# Allegro board STANDARD.brd (continued)
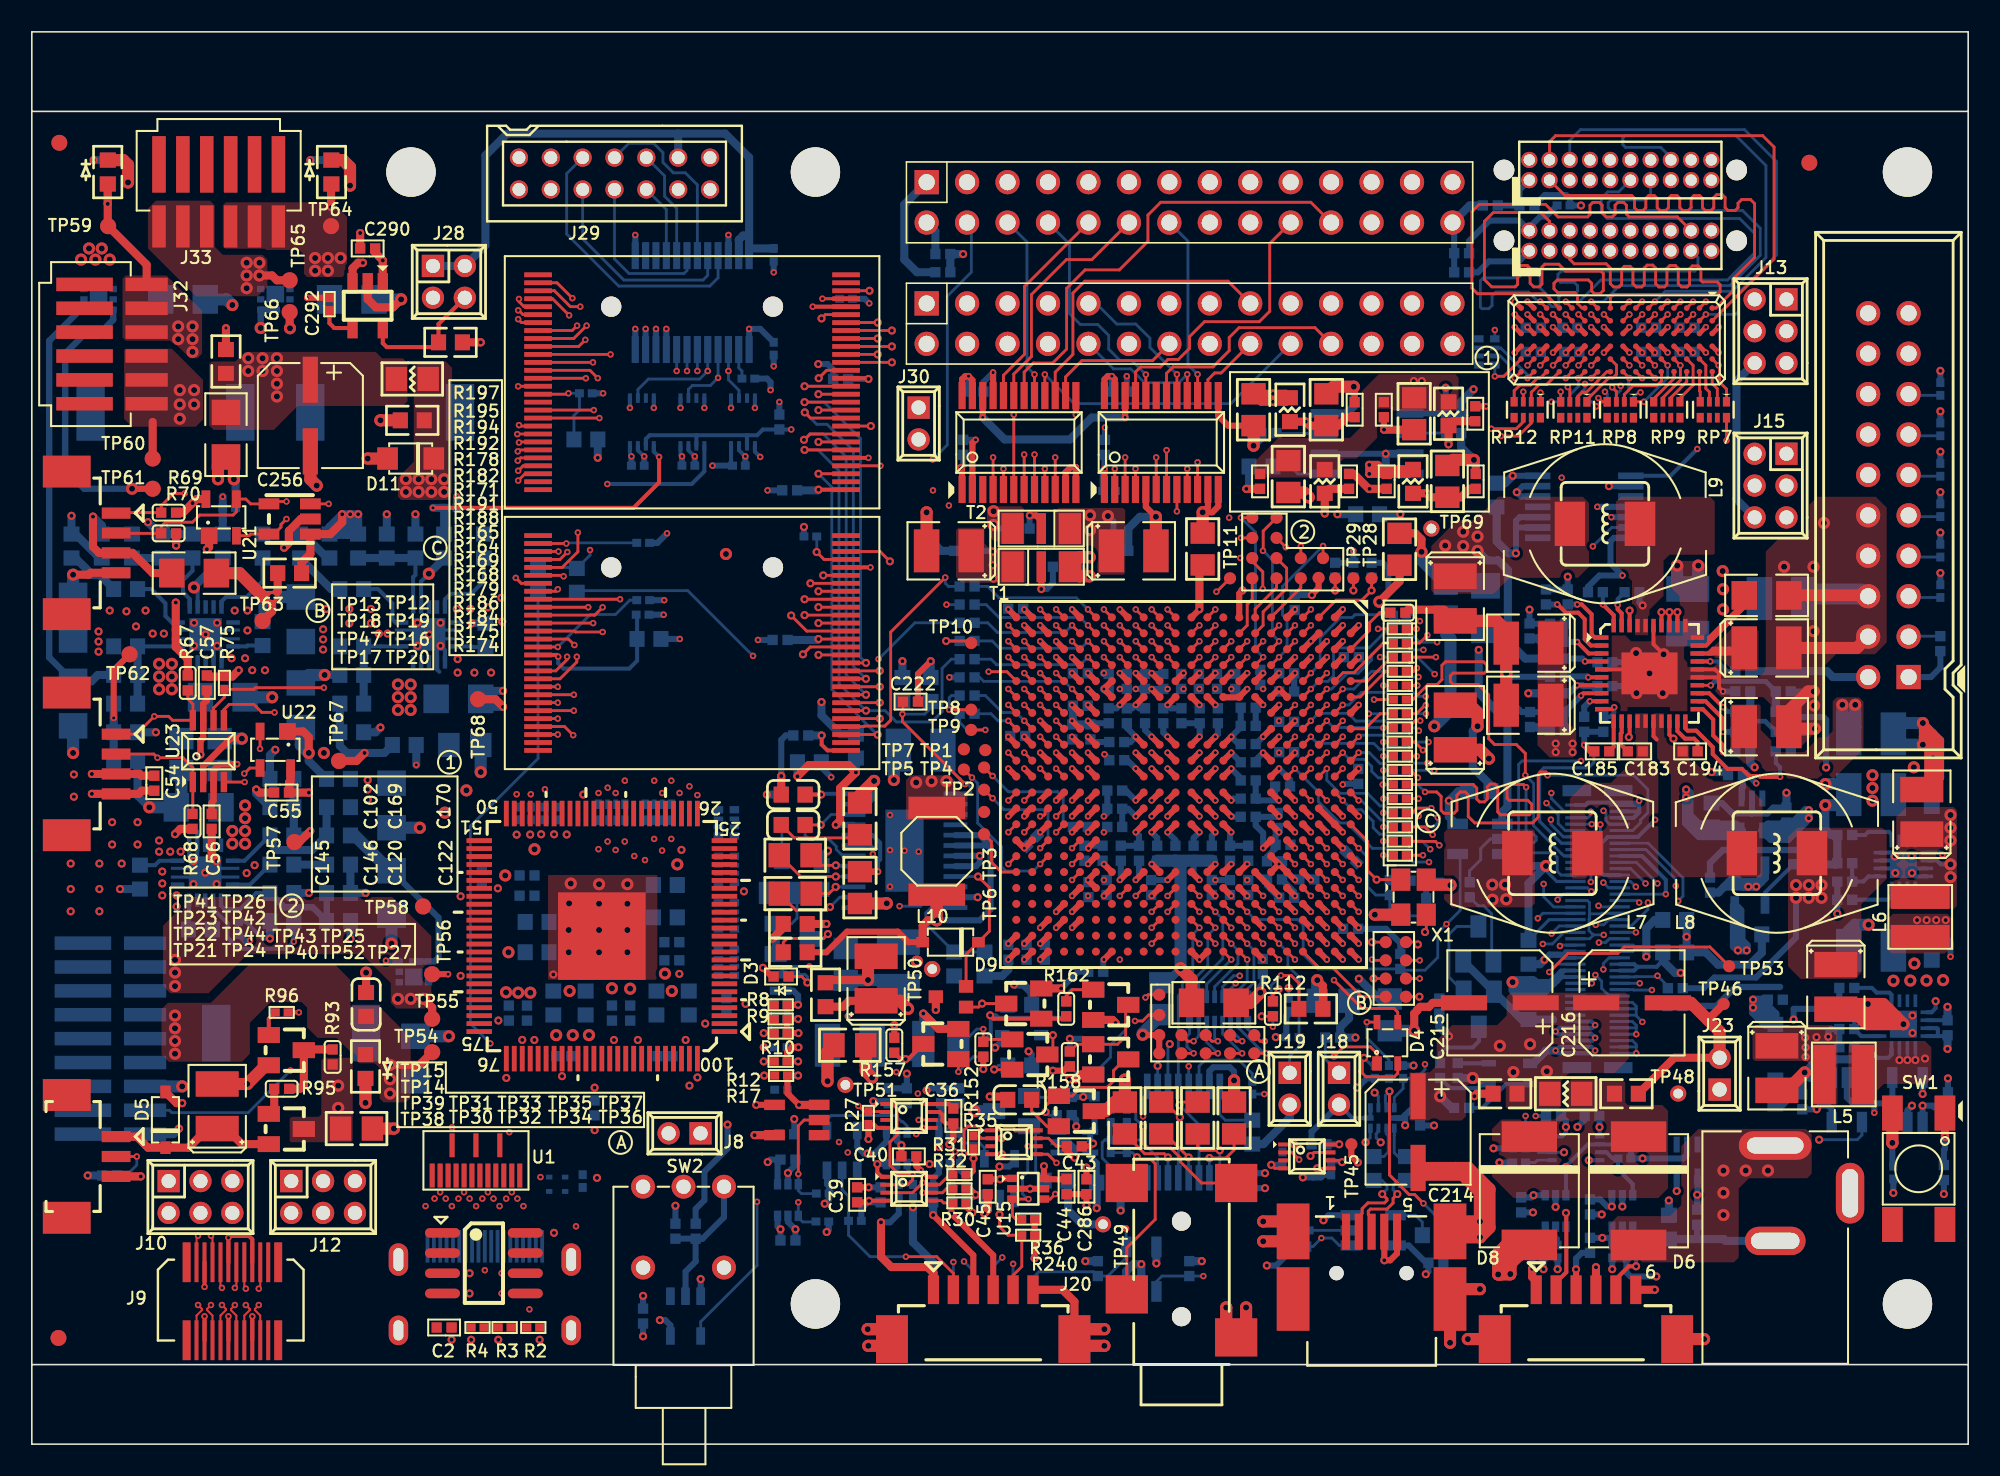
[diagram p0: board, top side]
## Routing (per net, layer and track width the routed paths; a pad name or vN(x,y) marks a point on that pad's centre or on a via; arc(x,y) is an arc through that point) (continued)
PM_ADR_19: length 60.8
  TOP w0.178: v3(36.34,68.47) U19.11 ; v3(35.84,52.58) 35.35,52.09 U20.11 ; U7.Y1 v3(63.32,52.45)
  3-SIG w0.122: v3(36.34,68.47) 36.34,68.47 39.23,65.58 42.84,65.58 47.95,60.47 50.51,60.47 56.04,54.94 57.93,54.94 59.53,53.34 62.44,53.34 v3(63.32,52.45)
  4--SIG w0.122: v3(36.34,68.47) 37.19,67.62 37.19,57.23 38.04,56.38 38.04,54.43 37.14,53.53 36.79,53.53 v3(35.84,52.58)
PM_ADR_20: length 62.4
  TOP w0.178: U20.12 v3(35.25,51.59) ; U7.W2 v3(64.32,51.45) ; U19.12 v3(35.24,67.97)
  3-SIG w0.122: v3(35.24,67.97) 35.29,67.97 36.54,66.72 36.54,65.48 37.89,64.13 41.42,64.13 46.25,59.31 48.93,59.31 49.31,58.92 51.06,58.92 56.31,53.68 57.94,53.68 59.58,52.04 62.57,52.04 62.77,51.84 63.94,51.84 v3(64.32,51.45)
  4--SIG w0.122: v3(35.25,51.59) 34.54,52.3 34.54,54.78 36.59,56.83 36.59,66.62 v3(35.24,67.97)
PM_ADR_21: length 69.5
  TOP w0.178: U19.15 30.54,66.47 v3(30.54,66.47) ; U7.W1 v3(64.32,52.45) ; U20.15 v3(33.03,50.09)
  3-SIG w0.122: v3(64.32,52.45) 63.96,52.08 63.17,52.08 62.98,52.28 62.98,52.31 62.38,52.91 59.31,52.91 58.15,54.07 56.4,54.07 51.06,59.41 49.34,59.41 49.06,59.68 47.89,59.68 47.14,60.43 45.79,60.43 41.66,64.56 38.96,64.56 37.95,65.57 37.95,66.17 35.74,68.38 32.45,68.38 v3(30.54,66.47)
  4--SIG w0.122: v3(33.03,50.09) 33,50.09 30.02,53.06 30.02,54.58 31,55.56 31,66.01 v3(30.54,66.47)
  BOTTOM w0.178: R47.1 37.55,53.03 36.65,52.13 35.07,52.13 v3(33.03,50.09)
PM_ADR_22: length 69.8
  TOP w0.178: U7.V3 v3(65.32,50.45) ; U20.2 v3(33.57,56.59) ; U19.2 32.98,72.97 v3(33.94,72.01)
  3-SIG w0.122: v3(33.94,72.01) 33.34,71.4 33.34,70.23 33.79,69.78 34.93,69.78 35.34,69.36 37.01,69.36 39.79,66.58 44.49,66.58 45.99,65.08 45.99,63.59 47.86,61.72 50.51,61.72 56.44,55.78 58.44,55.78 59.41,54.81 63.02,54.81 64.91,52.92 64.91,50.86 v3(65.32,50.45)
  4--SIG w0.122: v3(33.57,56.59) 32.99,57.16 32.99,71.05 v3(33.94,72.01)
  BOTTOM w0.178: v3(33.57,56.59) 33.61,56.63 R46.1
PM_BLS0: length 3
  TOP w0.178: U7.AB8 v3(61.32,45.45)
  BOTTOM w0.178: v3(61.32,45.45) 60.68,45.45 60.23,45.89 R53.2
PM_BLS0S: length 3.2
  TOP w0.178: TP9.1 v3(59.88,44.88)
  BOTTOM w0.178: v3(59.88,44.88) 58.74,44.88 58.27,45.35 R53.1
PM_BLS1: length 4.5
  TOP w0.178: U7.AA8 v3(62.32,45.45)
  BOTTOM w0.178: R50.2 59.88,47.04 60.95,45.97 61.45,45.97 61.45,45.97 61.8,45.97 v3(62.32,45.45)
PM_BLS1S: length 2.8
  TOP w0.178: TP8.1 v3(57.61,46.15)
  BOTTOM w0.178: v3(57.61,46.15) 57.61,46.9 57.75,47.04 R50.1
PM_DAT_0: length 45
  TOP w0.178: U19.35 v1(49.4,62.97) ; U20.35 v1(53.25,46.59) ; U7.T4 v3(67.32,49.45)
  3-SIG w0.122: v3(67.32,49.45) 66.69,50.08 66.17,50.08 65.91,50.34 65.91,53.09 62.38,56.63 56.87,56.63 50.52,62.97 v1(49.4,62.97)
  4--SIG w0.122: v3(67.32,49.45) 66.94,49.07 59.09,49.07 56.61,46.59 v1(53.25,46.59)
PM_DAT_1: length 41.7
  TOP w0.178: U7.T3 v3(67.32,50.45) ; U20.37 v1(53.25,47.59) ; U19.37 v1(52.69,63.97)
  3-SIG w0.122: v3(67.32,50.45) 66.73,51.04 66.73,52.83 62.53,57.03 58.84,57.03 52.69,63.18 v1(52.69,63.97)
  4--SIG w0.122: v3(67.32,50.45) 66.95,50.82 58.86,50.82 55.63,47.59 v1(53.25,47.59)
PM_DAT_2: length 44.4
  TOP w0.178: U19.39 v1(49.4,64.97) ; U7.T2 v3(67.32,51.45) ; U20.39 v1(53.25,48.59)
  3-SIG w0.122: v3(67.32,51.45) 66.96,51.81 66.96,53.14 60.82,59.28 58.24,59.28 52.55,64.97 v1(49.4,64.97)
  4--SIG w0.122: v3(67.32,51.45) 66.94,51.84 56.5,51.84 v1(53.25,48.59)
PM_DAT_3: length 47.6
  TOP w0.178: U19.41 v1(49.4,65.97) ; U7.T1 v3(67.32,52.45) ; U20.41 v1(49.4,49.59)
  3-SIG w0.122: v3(67.32,52.45) 67.32,54.55 66.78,55.09 65.93,55.09 63.89,57.13 63.89,57.78 60.01,61.67 58.8,61.67 56.44,64.03 54.34,64.03 52.4,65.97 v1(49.4,65.97)
  4--SIG w0.122: v1(49.4,49.59) 47.14,51.85 47.14,53.53 48.68,55.07 48.68,56.57 48.96,56.85 48.96,64.66 48.96,64.66 48.96,65 48.96,65 48.96,65.53 v1(49.4,65.97)
PM_DAT_4: length 52
  TOP w0.178: U20.44 48.66,51.09 v1(47.69,52.07) ; U7.R4 v3(68.32,49.45) ; v1(49.41,66.98) 49.91,67.47 U19.44
  3-SIG w0.122: v3(68.32,49.45) 67.73,50.04 67.73,55.31 66.69,56.36 66.06,56.36 61.71,60.71 61.71,61.26 60.44,62.53 58.38,62.53 56.66,64.25 54.75,64.25 52.63,66.37 50.02,66.37 v1(49.41,66.98)
  4--SIG w0.122: v1(47.69,52.07) 47.69,53.48 49.85,55.64 49.85,66.54 v1(49.41,66.98)
PM_DAT_5: length 50.9
  TOP w0.178: U19.46 v1(53.12,68.47) ; U20.46 v1(48.52,52.09) ; U7.R3 v3(68.32,50.45)
  3-SIG w0.122: v1(53.12,68.47) 53.12,67.48 54.54,66.06 57.36,66.06 62.14,61.28 62.14,60.88 66.23,56.79 66.73,56.79 67.96,55.56 67.96,50.81 v3(68.32,50.45)
  4--SIG w0.122: v1(53.12,68.47) 52.09,67.44 52.09,53.9 50.27,52.09 v1(48.52,52.09)
PM_DAT_6: length 53
  TOP w0.178: U19.48 v1(53.12,69.47) ; U7.R2 v3(68.32,51.45) ; U20.48 v1(48.52,53.09)
  3-SIG w0.122: v3(68.32,51.45) 68.69,51.81 68.69,56.13 68.21,56.61 68.21,58.51 66.04,60.68 66.04,61.53 62.04,65.53 58.39,65.53 57.39,66.53 54.84,66.53 53.54,67.83 53.54,69.06 v1(53.12,69.47)
  4--SIG w0.122: v1(53.12,69.47) 52.72,69.47 51.39,68.15 51.39,54.45 50.03,53.09 v1(48.52,53.09)
PM_DAT_7: length 58.6
  TOP w0.178: U19.50 v1(53.12,70.47) ; U7.P4 v3(69.32,49.45) ; U20.50 v1(48.89,54.09)
  3-SIG w0.122: v1(53.12,70.47) 54.1,70.47 55.15,69.42 55.15,68.8 55.93,68.03 64.08,68.03 69.81,62.3 69.81,57.96 70.69,57.08 70.69,50.3 70.3,49.91 69.78,49.91 v3(69.32,49.45)
  4--SIG w0.122: v1(53.12,70.47) 52.3,70.47 50.59,68.76 50.59,54.82 49.86,54.09 v1(48.89,54.09)
PM_DAT_8: length 41.9
  TOP w0.178: U20.36 v1(52.38,47.09) ; U19.36 48.88,63.47 48.52,63.11 v1(48.49,63.11) ; U7.P3 v3(69.32,50.45)
  4--SIG w0.122: v1(52.38,47.09) 55.99,47.09 58.91,50.01 68.88,50.01 v3(69.32,50.45)
  BOTTOM w0.178: v1(48.49,63.11) 48.85,63.47 49.7,63.47 51.14,62.03 51.14,48.33 v1(52.38,47.09)
PM_DAT_9: length 41.7
  TOP w0.178: U19.38 48.9,64.47 v1(48.54,64.83) ; U20.38 v1(52.38,48.09) ; U7.P2 v3(69.32,51.45)
  4--SIG w0.122: v3(69.32,51.45) 68.92,51.05 57.26,51.05 54.3,48.09 v1(52.38,48.09)
  BOTTOM w0.178: v1(48.54,64.83) 49.29,64.08 49.94,64.08 51.59,62.43 51.59,48.88 51.91,48.56 v1(52.38,48.09)
PM_DAT_10: length 41.6
  TOP w0.178: U19.40 v1(48.52,65.47) ; U20.40 v1(52.38,49.09) ; U7.P1 v3(69.32,52.45)
  4--SIG w0.122: v3(69.32,52.45) 68.94,52.06 55.36,52.06 v1(52.38,49.09)
  BOTTOM w0.178: v1(48.52,65.47) 49.75,65.47 52.04,63.18 52.04,49.43 v1(52.38,49.09)
PM_DAT_11: length 50.6
  TOP w0.178: U20.42 48.88,50.09 v1(48.42,49.63) ; U19.42 v1(48.52,66.47) ; U7.N4 v3(70.32,49.45)
  4--SIG w0.122: v1(48.52,66.47) 48.09,66.04 48.09,63.48 47.99,63.38 47.99,54.98 46.75,53.74 46.75,51.3 v1(48.42,49.63) 51.24,46.81 51.24,46.63 52.74,45.13 55.18,45.13 55.81,45.77 56.53,45.77 58.84,48.08 69.68,48.08 69.91,48.31 69.91,49.04 v3(70.32,49.45)
PM_DAT_12: length 52.5
  TOP w0.178: U19.45 v1(54.01,67.97) ; U7.N3 v3(70.32,50.45) ; U20.45 v1(49.4,51.59)
  3-SIG w0.122: v3(70.32,50.45) 69.71,51.06 69.71,55.79 68.59,56.92 68.59,58.73 66.49,60.83 66.49,61.88 62.51,65.86 58.66,65.86 57.59,66.93 55.05,66.93 v1(54.01,67.97)
  4--SIG w0.122: v1(49.4,51.59) 50.43,51.59 53.03,54.18 53.03,58.19 52.74,58.48 52.74,61.58 53.11,61.95 53.11,67.07 v1(54.01,67.97)
PM_DAT_13: length 52.5
  TOP w0.178: U20.47 v1(49.4,52.59) ; U7.N2 v3(70.32,51.45) ; U19.47 v1(54.01,68.97)
  3-SIG w0.122: v1(54.01,68.97) 54.01,68.92 55.6,67.33 57.89,67.33 58.96,66.26 62.82,66.26 66.91,62.18 66.91,61.03 69.02,58.92 69.02,57.3 69.94,56.38 69.94,54.34 69.94,51.84 v3(70.32,51.45)
  4--SIG w0.122: v1(54.01,68.97) 52.96,68.97 51.74,67.75 51.74,54.22 50.11,52.59 v1(49.4,52.59)
PM_DAT_14: length 53.8
  TOP w0.178: U7.N1 v3(70.32,52.45) ; U19.49 v1(54.01,69.97) ; U20.49 v1(49.4,53.59)
  3-SIG w0.122: v1(54.01,69.97) 54.7,69.29 54.7,68.75 55.75,67.7 63.72,67.7 66.28,65.15 66.28,63.67 69.48,60.47 69.48,57.53 70.32,56.68 v3(70.32,52.45)
  4--SIG w0.122: v1(49.4,53.59) 49.95,53.59 50.99,54.63 50.99,68.45 52.51,69.97 v1(54.01,69.97)
PM_DAT_15: length 56.5
  TOP w0.178: v1(49.59,70.73) 49.83,70.97 U19.51 ; U20.51 v1(49.7,54.59) ; U7.M1 v3(71.32,52.45)
  3-SIG w0.122: v1(49.59,70.73) 50.15,71.29 54.69,71.29 55.4,70.58 63.92,70.58 65.21,69.29 65.21,68.53 70.22,63.52 70.22,60.12 71.32,59.01 v3(71.32,52.45)
  4--SIG w0.122: v1(49.59,70.73) 50.23,70.09 50.23,55.11 v1(49.7,54.59)
PM_OESZ: length 31.7
  TOP w0.178: U19.34 v1(48.52,62.47) ; U20.34 v1(52.38,46.09)
  BOTTOM w0.178: R55.1 57.74,49.32 57.16,48.74 57.16,46.03 56.52,45.38 54.29,45.38 53.58,46.09 v1(52.38,46.09) 50.69,47.78 50.69,61.15 49.37,62.47 v1(48.52,62.47)
PM_OEZ: length 8.2
  TOP w0.178: U7.U4 v3(66.32,49.45)
  BOTTOM w0.178: R55.2 60.23,49.32 60.58,48.97 65.85,48.97 v3(66.32,49.45)
PM_SRAM_CSSZ: length 2.5
  TOP w0.178: v1(57.41,50.47) 58.86,50.47 TP10.1
  BOTTOM w0.178: R58.1 v1(57.41,50.47)
PM_SRAM_CSZ: length 8.2
  TOP w0.178: U7.U3 v3(66.32,50.45)
  BOTTOM w0.178: v3(66.32,50.45) 65.88,50.01 60.77,50.01 60.31,50.47 R58.2
PM_WESZ: length 51.3
  TOP w0.178: U20.13 34.08,51.09 34.14,51.03 v3(35.84,51.03) ; v3(35.54,66.98) 35.05,67.47 U19.13
  3-SIG w0.122: v3(35.84,51.03) 48.12,51.03 49.04,50.11 52.39,50.11 v3(53.17,49.32)
  4--SIG w0.122: v3(35.84,51.03) 34.14,51.03 33.69,51.48 33.69,53.13 34.29,53.73 34.29,54.85 35.44,56 35.44,60.58 36.29,61.43 36.29,66.23 v3(35.54,66.98)
  BOTTOM w0.178: v3(53.17,49.32) 55.46,51.61 R54.1
PM_WEZ: length 7.3
  TOP w0.178: U7.V2 v3(65.32,51.45)
  BOTTOM w0.178: v3(65.32,51.45) 64.87,51 60.64,51 60.03,51.61 R54.2
POSENSE: length 148.8
  3-SIG w0.122: v3(77.94,26.23) 76.2,26.23 75.17,25.19 75.17,24.66 72.77,22.26 60.33,22.26 58.72,22.26 57.34,20.88 45.29,20.88 41.39,24.78 29.19,24.78 v3(28.79,25.18)
  6-SIG w0.122: v3(98.03,56.41) 98.22,56.22 98.22,54.73 98.36,54.6 98.36,53.75 97.85,53.24 97.85,50.03 96.35,48.54 96.35,44.73 96.2,44.57 96.2,43.4 96.67,42.93 v3(97.29,42.93) 97.29,42.59 96.56,41.86 96.56,38.99 95.9,38.32 95.9,35.43 92.94,32.47 92.94,30.19 89.18,26.43 88.68,26.43 87.26,25.02 84.21,25.02 83.98,24.79 82.87,24.79 82.26,25.4 78.9,25.4 78.07,26.23 v3(77.94,26.23)
  BOTTOM w0.178: U37.6 99.21,57.59 v3(98.03,56.41) ; R66.2 31.79,43.08 27.54,38.83 27.54,26.43 v3(28.79,25.18) ; v3(97.29,42.93) 93.59,42.93 93.37,42.71 93.37,38.51 92.89,38.03 U36.2 91.59,38.03 90.99,37.43 90.99,36.73 90.29,36.03 R136.1 ; R140.1 v3(77.94,26.23)
POWER_ON_OFF: length 46.3
  TOP w0.178: U7.N21 v3(70.32,31.45)
  4--SIG w0.122: v3(70.32,31.45) 69.81,30.93 60.46,30.93 58.86,29.33 58.86,22.15 53.71,16.99 51.65,16.99 50.66,16 46.31,16 v3(45.54,15.23)
  BOTTOM w0.178: U55.4 42,7.69 45.54,11.23 v3(45.54,15.23)
PP5P0V: length 164.2
  3-SIG w0.508: J12.2 16.29,7.23 ; 16.29,7.23 10.49,7.23 8.59,9.13 J10.2 ; 16.29,7.23 19.89,7.23 21.37,8.71 23.66,8.71 24.89,7.48 31.99,7.48 33.14,8.63 43.39,8.63 46.11,11.35 51.37,11.35 53.33,9.39 88.73,9.39 91.37,12.04 105.19,12.04 108.75,15.59 110.65,15.59 113.69,18.63 114.74,18.63 116.68,20.57 116.68,28.24 116.09,28.83 116.09,31.73 119.99,35.63 v2(120.49,35.63)
  4--SIG w0.381: v1(113.38,33.33) 116.99,33.33 119.29,35.63 v2(120.49,35.63)
  BOTTOM w0.254: v2(120.49,36.43) 119.89,36.43 119.65,36.67 U28.14
  BOTTOM w0.38: v1(113.38,33.33) R97.2 R98.2
  BOTTOM w0.381: C20.1 C21.1 93.42,78.8 J1.1
  BOTTOM w0.508: J3.2 56.74,76.21 C19.1
  vias: v2(120.49,39.53) v2(120.49,38.73) v2(120.49,37.93)
PWRGOOD: length 113.9
  TOP w0.178: U7.H19 v3(76.32,33.45)
  3-SIG w0.122: v1(112.24,19.13) 110.39,20.98 101.2,20.98 97.27,24.91 97.27,25.78 92.9,30.15 91.37,30.15 v3(88.84,32.68)
  4--SIG w0.122: v3(45.29,49.53) 48.94,45.88 50.34,45.88 52.71,43.51 57.77,43.51 58.76,44.5 60.34,44.5 60.77,44.93 71.41,44.93 71.51,44.93 72.27,44.17 72.27,33.87 73.06,33.08 75.96,33.08 v3(76.32,33.45)
  BOTTOM w0.178: U32.4 114.93,19.42 114.64,19.13 v1(112.24,19.13) ; v3(45.29,49.53) 41.19,53.63 34.33,53.63 R65.2 ; v3(76.32,33.45) 76.81,32.97 79.49,32.97 79.84,32.62 79.84,30.78 80.76,29.86 R234.2 86.02,29.78 87.49,29.78 88.29,30.58 88.29,32.13 v3(88.84,32.68) 89.7,33.54 89.7,36.92 U36.4
RCK_IN_N: length 85.2
  TOP w0.12: v3(11.25,8.74) 11.01,8.5 11.01,8.42 11.34,8.08 J9.5
  TOP w0.178: U7.W9 v3(64.32,44.45)
  4--SIG w0.12: v3(11.25,8.74) 11.18,8.74 10.96,8.96 10.96,9.21 9.7,10.47 9.7,17.34 10.53,18.17 10.53,24.08 18.44,31.99 18.44,34.77 28.15,44.48 32.06,44.48 32.56,44.98 50.38,44.98 52.41,42.95 58.29,42.95 59.18,43.84 63.68,43.84 63.93,44.1 63.93,44.32 64.06,44.45 v3(64.32,44.45)
RCK_IN_P: length 85.2
  TOP w0.12: v3(10.44,8.74) 10.68,8.5 10.68,8.42 10.34,8.08 J9.1
  TOP w0.178: U7.Y9 v3(63.32,44.45)
  4--SIG w0.12: v3(10.44,8.74) 10.48,8.74 10.74,9 10.74,9.12 9.48,10.38 9.48,17.44 10.3,18.26 10.3,24.17 18.22,32.08 18.22,34.86 28.06,44.7 31.97,44.7 32.47,45.2 50.47,45.2 52.5,43.17 58.19,43.17 59.09,44.07 63.59,44.07 63.71,44.19 63.71,44.34 63.61,44.45 v3(63.32,44.45)
RED_ANODE: length 3
  TOP w0.508: TP54.1 24.34,23.83 v2(22.49,23.83)
  vias: v2(8.99,26.93) v2(8.99,26.13) v2(8.99,25.33) v2(8.99,24.53) v2(22.49,22.93) v2(22.49,22.03)
RED_CATHODE: length 1.5
  TOP w0.508: TP55.1 25.14,27.43 v2(24.59,27.98)
  vias: v2(8.99,30.43) v2(8.99,29.63) v2(8.99,28.78) v2(22.99,27.98) v2(23.79,27.98)
RED_LED_EN: length 48.9
  6-SIG w0.254: v3(45.74,62.03) 42.09,58.38 42.09,56.23 34.24,48.38 32.54,48.38 17.3,33.14 16.33,33.14 v1(14.95,31.77)
  BOTTOM w0.254: v1(14.95,31.77) 14.5,31.77 13.44,32.83 R139.1 ; U40.5 45.41,62.36 v3(45.74,62.03)
  BOTTOM w0.508: R205.2 v1(14.95,31.77)
RED_LED_EN_CON: length 17.7
  BOTTOM w0.178: J29.5 33.59,79.84 33.59,76.03 36.86,72.76 42.57,72.76 43.09,73.28 U42.21
RED_LED_PWM_CON: length 10.3
  BOTTOM w0.178: J29.8 36.59,74.47 37.5,73.55 40.96,73.55 41.14,73.74 U42.18
RS232_RX: length 6
  BOTTOM w0.178: R84.2 R82.2 67.38,19.12 67.22,18.96 67.22,17.98 67.72,17.48 68.94,17.48 69.69,16.73 U24.8
RS232_TX: length 4.8
  BOTTOM w0.178: R78.2 R77.2 69.6,19.12 70.7,18.02 U24.7
RTCK: length 78.6
  TOP w0.178: R112.1 v1(77.23,26.88)
  3-SIG w0.122: J24.11 116.64,62.12 114.34,62.12 113.45,61.24 105.29,61.24 104.79,60.73 v3(96.07,60.73)
  6-SIG w0.122: v1(77.23,26.88) 77.9,26.88 79.11,25.68 82.4,25.68 82.95,25.13 83.54,25.13 83.8,25.4 87.16,25.4 88.5,26.74 89.11,26.74 92.49,30.12 92.49,32.63 94.55,34.69 94.55,36.1 94.55,36.1 94.55,36.56 94.55,36.56 94.55,36.75 95.26,37.46 95.26,38.32 96.1,39.16 96.1,42.11 94.98,43.23 94.98,44.42 95.97,45.41 95.97,48.74 97.62,50.39 97.62,53.33 98.14,53.84 98.14,54.5 97.75,54.89 97.75,55.88 97.15,56.47 96.85,56.47 96.07,57.25 v3(96.07,60.73)
  BOTTOM w0.178: J24.11 117.94,60.82 R107.2
RTCKR: length 8.2
  TOP w0.178: v1(78.3,28.59) 77.94,28.23 R112.2 ; U7.G18 v3(77.32,34.45)
  3-SIG w0.122: v1(78.3,28.59) 76.95,29.94 76.95,34.07 v3(77.32,34.45)
RXE_AN: length 75.5
  TOP w0.12: J9.6 11.34,13.01 v3(11.25,13.1)
  TOP w0.178: U7.AA10 v3(62.32,43.45)
  4--SIG w0.12: v3(11.25,13.1) 11.09,13.1 10.96,13.23 10.96,13.33 11.7,14.08 11.7,23.88 19.32,31.5 19.32,34.6 28.45,43.73 50.84,43.73 52.2,42.37 60.6,42.37 61.05,42.83 61.67,42.83 61.93,43.09 61.93,43.3 62.08,43.45 v3(62.32,43.45)
RXE_AP: length 75.5
  TOP w0.12: J9.2 10.34,13.01 v3(10.44,13.1)
  TOP w0.178: U7.AB10 v3(61.32,43.45)
  4--SIG w0.12: v3(10.44,13.1) 10.61,13.1 10.74,13.23 10.74,13.43 11.48,14.17 11.48,23.97 19.1,31.59 19.1,34.69 28.36,43.95 50.93,43.95 52.29,42.59 60.5,42.59 60.96,43.05 61.58,43.05 61.71,43.18 61.71,43.3 61.56,43.45 v3(61.32,43.45)
RXE_BN: length 81.6
  TOP w0.12: J9.11 12.84,8.08 12.51,8.42 12.51,8.5 v3(12.75,8.74)
  TOP w0.178: U7.W11 v3(64.32,42.45)
  4--SIG w0.12: v3(12.75,8.74) 12.53,8.74 12.44,8.83 12.44,9.08 12.12,9.4 11.78,9.4 11.54,9.64 11.54,10.62 13.71,12.79 13.71,20.94 14.43,21.66 14.43,23.91 18.39,27.87 18.39,29.09 20.94,31.64 20.94,33.28 30.47,42.81 50.01,42.81 52.09,40.73 59.22,40.73 59.61,41.13 63.42,41.13 63.93,41.64 63.93,42.06 v3(64.32,42.45)
RXE_BP: length 81.5
  TOP w0.12: v3(11.94,8.74) 12.18,8.5 12.18,8.42 11.84,8.08 J9.7
  TOP w0.178: U7.Y11 v3(63.32,42.45)
  4--SIG w0.12: v3(11.94,8.74) 12.13,8.74 12.22,8.83 12.22,8.99 12.03,9.18 11.69,9.18 11.32,9.55 11.32,10.71 13.49,12.88 13.49,21.03 14.21,21.75 14.21,24 18.17,27.96 18.17,29.18 20.72,31.73 20.72,33.37 30.38,43.03 50.1,43.03 52.18,40.95 59.13,40.95 59.52,41.35 63.33,41.35 63.71,41.73 63.71,42.06 v3(63.32,42.45)
RXE_CN: length 75.1
  TOP w0.12: v3(12.75,9.82) 12.84,9.91 J9.12
  TOP w0.178: U7.AA12 v3(62.32,40.45)
  4--SIG w0.12: v3(62.32,40.45) 62.03,40.45 61.93,40.36 61.93,40.09 61.76,39.91 51.46,39.91 50.14,41.23 43.18,41.23 42.35,42.06 30.92,42.06 21.89,33.03 21.89,31.38 19.31,28.8 19.31,27.65 15.42,23.76 15.42,21.2 14.54,20.32 14.54,12.58 12.44,10.48 12.44,10.13 v3(12.75,9.82)
RXE_CP: length 75
  TOP w0.12: J9.8 11.84,9.91 v3(11.94,9.82)
  TOP w0.178: U7.AB12 v3(61.32,40.45)
  4--SIG w0.12: v3(11.94,9.82) 12.22,10.1 12.22,10.57 14.32,12.67 14.32,20.41 15.2,21.29 15.2,23.85 19.09,27.75 19.09,28.9 21.67,31.47 21.67,33.12 30.83,42.28 42.44,42.28 43.27,41.45 50.23,41.45 51.55,40.13 61.66,40.13 61.71,40.18 61.71,40.3 61.56,40.45 v3(61.32,40.45)
RXE_DN: length 77.9
  TOP w0.12: J9.17 14.34,8.08 14.01,8.42 14.01,8.5 v3(14.25,8.74)
  TOP w0.178: U7.W13 v3(64.32,39.45)
  4--SIG w0.12: v3(64.32,39.45) 63.93,39.06 63.93,37.2 63.59,36.85 60.5,36.85 59.38,37.98 43.89,37.98 42.71,39.16 30.52,39.16 24.54,33.18 24.54,30.43 18.09,23.98 18.09,20.51 17.4,19.83 17.4,11.99 14.54,9.13 14.09,9.13 13.96,9 13.96,8.83 14.05,8.74 v3(14.25,8.74)
RXE_DP: length 78
  TOP w0.12: v3(13.44,8.74) 13.68,8.5 13.68,8.42 13.34,8.08 J9.13
  TOP w0.178: v3(63.32,39.45) 63.39,39.51 63.55,39.51 63.63,39.59 63.63,39.76 U7.Y13
  4--SIG w0.12: v3(13.44,8.74) 13.65,8.74 13.74,8.83 13.74,9.09 14,9.35 14.45,9.35 17.18,12.08 17.18,19.92 17.87,20.61 17.87,24.07 24.32,30.52 24.32,33.27 30.43,39.38 42.8,39.38 43.99,38.2 59.47,38.2 60.6,37.07 63.49,37.07 63.71,37.29 63.71,39.06 v3(63.32,39.45)
RXE_EN: length 73.1
  TOP w0.12: v3(14.25,9.77) 14.34,9.86 J9.18
  TOP w0.178: U7.AA14 v3(62.32,38.45)
  4--SIG w0.12: v3(62.32,38.45) 62.11,38.45 61.93,38.27 61.93,38.08 61.69,37.83 60.69,37.83 59.61,38.92 51.2,38.92 49.96,40.16 30.22,40.16 23.84,33.78 23.84,30.92 16.95,24.03 16.95,21.08 15.34,19.47 15.34,11.78 13.94,10.38 13.94,10.08 v3(14.25,9.77)
RXE_EP: length 73.1
  TOP w0.12: v3(13.44,9.77) 13.34,9.86 J9.14
  TOP w0.178: U7.AB14 v3(61.32,38.45)
  4--SIG w0.12: v3(61.32,38.45) 61.56,38.45 61.71,38.29 61.71,38.17 61.59,38.05 60.78,38.05 59.7,39.14 51.29,39.14 50.05,40.38 30.13,40.38 23.62,33.87 23.62,31.01 16.73,24.12 16.73,21.17 15.12,19.56 15.12,11.87 13.72,10.47 13.72,10.05 v3(13.44,9.77)
SCDT: length 2.1
  BOTTOM w0.178: R24.2 47.16,29.87 47.31,30.02 v3(48.83,30.02)
SCL0: length 98.4
  TOP w0.178: J16.1 5.32,58.53 R69.1 8.12,58.96 8.89,59.73 v3(9.59,59.73) ; U21.2 13.64,57.08 13.74,57.18 U44.5 15.2,57.18 15.65,57.62 15.65,57.79 v3(15.99,58.13) ; U7.M2 v3(71.32,51.45)
  3-SIG w0.122: v3(71.32,51.45) 71.84,51.97 71.84,57.15 72.32,57.63 72.32,59.23 71.64,59.91 71.64,63.24 68.31,66.57 68.31,67.79 67.6,68.5 67.6,71.98 66.53,73.05 30.91,73.05 27.83,69.97 26.48,69.97 16.89,60.38 16.89,59.03 v3(15.99,58.13) 11.89,58.13 10.29,59.73 v3(9.59,59.73)
SDA0: length 98.7
  TOP w0.178: U7.M3 v3(71.32,50.45) ; v3(15.99,59.23) 15.04,59.23 U44.4 13.74,59.08 13.44,59.38 U21.3 12.85,58.59 12.64,58.38 10.54,58.38 10.09,57.93 8.39,57.93 8.12,57.66 R70.1 5.32,57.23 J16.2
  3-SIG w0.122: v3(71.32,50.45) 72.37,51.5 72.37,56.46 72.96,57.04 72.96,59.61 72.2,60.37 72.2,61.13 72.19,61.13 72.19,61.44 72.2,61.44 72.2,64.46 70.34,66.32 70.34,72.05 68.26,74.13 31.24,74.13 27.89,70.78 26.24,70.78 15.99,60.53 v3(15.99,59.23)
SEQ_SYNC: length 9.3
  TOP w0.178: U7.E16 v3(79.32,36.45)
  4--SIG w0.122: v1(78.93,28.67) 78.93,36.05 v3(79.32,36.45)
  BOTTOM w0.178: R114.1 v1(78.93,28.67)
SSP0_CLK: length 9.8
  TOP w0.178: TP25.1 v3(81.09,56.44) ; U7.F4 v3(78.32,49.45)
  BOTTOM w0.178: v3(78.32,49.45) 78.83,49.95 78.83,51.81 78.55,52.09 78.55,53.9 v3(81.09,56.44)
SSP0_CSZ0: length 5.8
  TOP w0.178: v1(82.99,53.64) TP29.1 ; U7.D2 v3(80.32,51.45)
  3-SIG w0.122: v3(80.32,51.45) 81.81,52.93 82.28,52.93 v1(82.99,53.64)
  BOTTOM w0.178: R79.1 v1(82.99,53.64)
SSP0_CSZ1: length 5.6
  TOP w0.178: U7.C1 81.91,53.03 83.52,53.03 v1(84.14,53.64) TP28.1
  BOTTOM w0.178: R80.1 v1(84.14,53.64)
SSP0_RXD: length 4.3
  TOP w0.178: v1(81.85,53.64) TP27.1 ; U7.D1 v3(80.32,52.45)
  3-SIG w0.122: v1(81.85,53.64) 81.52,53.64 v3(80.32,52.45)
  BOTTOM w0.178: R81.1 v1(81.85,53.64)
SSP0_TXD: length 9.3
  TOP w0.178: v3(77.31,56.13) 77.33,56.13 77.33,57.37 TP26.1 ; U7.F3 v3(78.32,50.45)
  BOTTOM w0.178: v3(78.32,50.45) 77.9,50.87 77.9,55.56 77.33,56.13 v3(77.31,56.13)
ST_GPIO5: length 37.5
  TOP w0.178: U8.10 v3(64.27,62) ; U7.D16 v3(80.32,36.45)
  6-SIG w0.122: v3(80.32,36.45) 79.84,36.93 78.98,36.93 76.77,39.14 76.77,44.6 75.39,45.98 72.89,45.98 71.79,47.08 71.79,54.12 68.79,57.12 68.79,58.58 67.09,60.28 65.98,60.28 v3(64.27,62)
ST_GPIO6: length 42.3
  TOP w0.178: U8.9 v3(63.62,61.28) ; U7.A18 v3(83.32,34.45)
  6-SIG w0.122: v3(83.32,34.45) 82.84,34.93 79.14,34.93 76.34,37.73 76.34,44.28 75.46,45.16 71.96,45.16 70.84,46.28 70.84,54.13 68.19,56.78 68.19,58.53 67.04,59.68 65.22,59.68 v3(63.62,61.28)
ST_MSTR_MUX_SEL: length 6.7
  TOP w0.178: v3(48.13,16.98) 48.13,20 48.5,20.37 U5.2
  BOTTOM w0.178: R14.1 48.32,15.74 48.13,15.93 U4.3 v3(48.13,16.98)
ST_MSTR_MUX_SELZ: length 155.6
  TOP w0.3: U6.T4 v3(93.13,68.58) ; U6.H4 v3(100.33,68.58) ; U6.J4 v3(98.73,68.58) ; U6.A4 v3(105.93,68.58)
  TOP w0.38: U5.4 v1(45.49,21.32)
  TOP w0.381: U8.22 v3(59.72,64.5) ; U9.22 v3(68.66,64.5)
  4--SIG w0.381: v3(100.33,68.58) 100.33,69.19 100.29,69.23 ; v3(98.73,68.58) 98.73,69.19 98.69,69.23 ; v3(93.13,68.58) 93.13,69.17 93.19,69.23
  4--SIG w0.508: 57.59,78.03 87.19,78.03 87.99,77.23 87.99,75.44 92.49,70.94 92.49,69.93 93.19,69.23 105.28,69.23 v3(105.93,68.58) ; 57.59,78.03 57.49,77.93 57.49,66.73 v3(59.72,64.5) ; 57.59,78.03 54.29,78.03 48.19,71.93 48.19,70.13 44.69,66.63 44.69,63.83 43.59,62.73 v2(43.59,55.93)
  6-SIG w0.508: 43.59,26.43 43.59,24.83 ; 43.59,26.43 43.58,26.42 v1(42.29,26.42) ; 43.59,26.43 v2(43.59,55.93) ; 43.59,24.83 43.7,24.94 v1(45.96,24.94) ; 43.59,24.83 43.59,23.21 v1(45.49,21.32)
  BOTTOM w0.508: v3(68.66,64.5) 66.56,64.5 65.19,63.13 61.09,63.13 v3(59.72,64.5)
ST_TRIG_IN_1: length 49.3
  TOP w0.178: U8.4 v3(60.37,62) ; v3(51.91,21.26) 52.27,20.9 R27.1 53.23,20.9 53.25,20.87 U10.2
  6-SIG w0.122: v3(60.37,62) 60.37,61.06 55.49,56.19 55.49,45.04 53.48,43.02 53.48,36.42 54.9,35 54.9,32.99 53.85,31.94 53.85,26.87 51.91,24.94 v3(51.91,21.26)
ST_TRIG_IN_2: length 51.6
  TOP w0.178: R35.1 59.48,19.37 59.63,19.22 U14.2 v1(60.89,19.22) ; U8.5 v3(61.02,61.28)
  6-SIG w0.122: v1(60.89,19.22) 59.68,19.22 58.07,20.82 58.07,21.85 56.09,23.83 56.09,25.35 54.34,27.1 54.34,31.53 55.28,32.47 55.28,38.57 54.99,38.86 54.99,43.5 56.03,44.54 56.03,55.97 61.02,60.96 v3(61.02,61.28)
ST_TRIG_SEL: length 15.4
  TOP w0.178: U14.6 v3(62.54,18.72) ; R36.1 61.78,14.14 61.58,14.35 U15.3 v3(62.59,15.4) ; U10.6 v3(55.69,20.37)
  3-SIG w0.254: v3(62.54,18.72) 60.1,18.72 58.45,20.37 v3(55.69,20.37)
  BOTTOM w0.178: v3(62.59,15.4) 62.54,15.4 62.21,15.72 62.21,16.8 62.54,17.13 v3(62.54,18.72)
ST_UART0_RXD: length 88.2
  TOP w0.178: U25.2 79.14,18.33 v3(79.59,17.88) ; U8.7 v3(62.32,62.18)
  3-SIG w0.122: v3(79.59,17.88) 78.65,17.88 78.39,18.13 76.04,18.13 74.84,16.93 61.89,16.93 61.14,16.18 60.21,16.18 59.57,16.81 55.76,16.81 55.43,16.48 54.44,16.48 53.79,17.13 52.44,17.13 v3(51.24,18.33)
  4--SIG w0.122: v3(62.32,62.18) 62.32,61.86 60.39,59.93 v3(56.59,59.93)
  6-SIG w0.122: v3(56.59,59.93) 51.24,54.58 51.24,49.68 49.11,47.55 49.11,38.48 49.32,38.26 49.32,28.18 49.04,27.89 49.04,19.73 50.44,18.33 v3(51.24,18.33)
  BOTTOM w0.178: R87.1 79.11,18.36 v3(79.59,17.88)
ST_UART_SEL: length 91.1
  TOP w0.178: U25.6 82.17,17.83 v1(82.28,17.72) ; U8.8 v3(62.97,62.18)
  3-SIG w0.122: v1(82.28,17.72) 80.84,16.28 79.14,16.28 78.89,16.53 62.44,16.53 61.15,15.24 55.69,15.24 55.13,15.8 54.32,15.8 53.45,16.66 52.16,16.66 50.69,18.13 v3(50.69,18.98)
  4--SIG w0.122: v3(62.97,62.18) 62.97,61.81 60.32,59.16 60.17,59.16 59.99,58.98 v3(57.59,58.98)
  6-SIG w0.122: v3(57.59,58.98) 54.49,55.88 54.49,51.99 50.33,47.82 50.33,44.14 49.77,43.58 49.77,41.45 51.8,39.42 51.8,26.69 49.34,24.23 49.34,20.33 v3(50.69,18.98)
  BOTTOM w0.178: v1(82.28,17.72) R86.1
ST_USB_SEL: length 69.2
  TOP w0.178: U8.6 v3(61.67,64.69)
  4--SIG w0.122: v3(87.49,23.87) 87.49,26.36 85.89,27.96 85.89,53.21 83.78,55.32 83.78,57.37 76.07,65.08 62.06,65.08 v3(61.67,64.69)
  BOTTOM w0.178: U27.9 85.56,21.79 86.12,22.35 R92.1 86.95,22.99 87.49,23.53 v3(87.49,23.87)
SYS_DATA00: length 28.2
  TOP w0.178: J1.4 95.31,81.84 95.69,82.22 108.7,82.22 109.41,81.5 109.41,74.46 106.47,71.52 U6.A2
SYS_DATA01: length 28.3
  TOP w0.178: U6.A1 105.76,71.38 106.82,72.44 106.82,73.2 108.19,74.57 108.19,77.95 107.93,78.2 107.38,78.2 107.15,77.97 107.15,77.69 106.97,77.52 106.52,77.52 106.34,77.69 106.34,78.33 106.16,78.51 105.8,78.51 105.63,78.33 105.63,77.69 105.45,77.52 105.09,77.52 104.91,77.69 104.91,78.28 104.74,78.46 104.38,78.46 104.2,78.28 104.2,77.69 104.03,77.52 103.67,77.52 103.49,77.69 103.49,78.28 103.31,78.46 102.96,78.46 102.78,78.28 102.78,77.69 102.6,77.52 102.25,77.52 102.07,77.69 102.07,78.28 101.89,78.46 101.54,78.46 101.36,78.28 101.36,77.69 101.18,77.52 100.83,77.52 100.65,77.69 100.65,78.28 100.47,78.46 96.28,78.46 J1.3
